# Altium PCB Bran_Main_Assay_PCB_v2_20170826.pcbdoc (part 3 of 4) (continued)
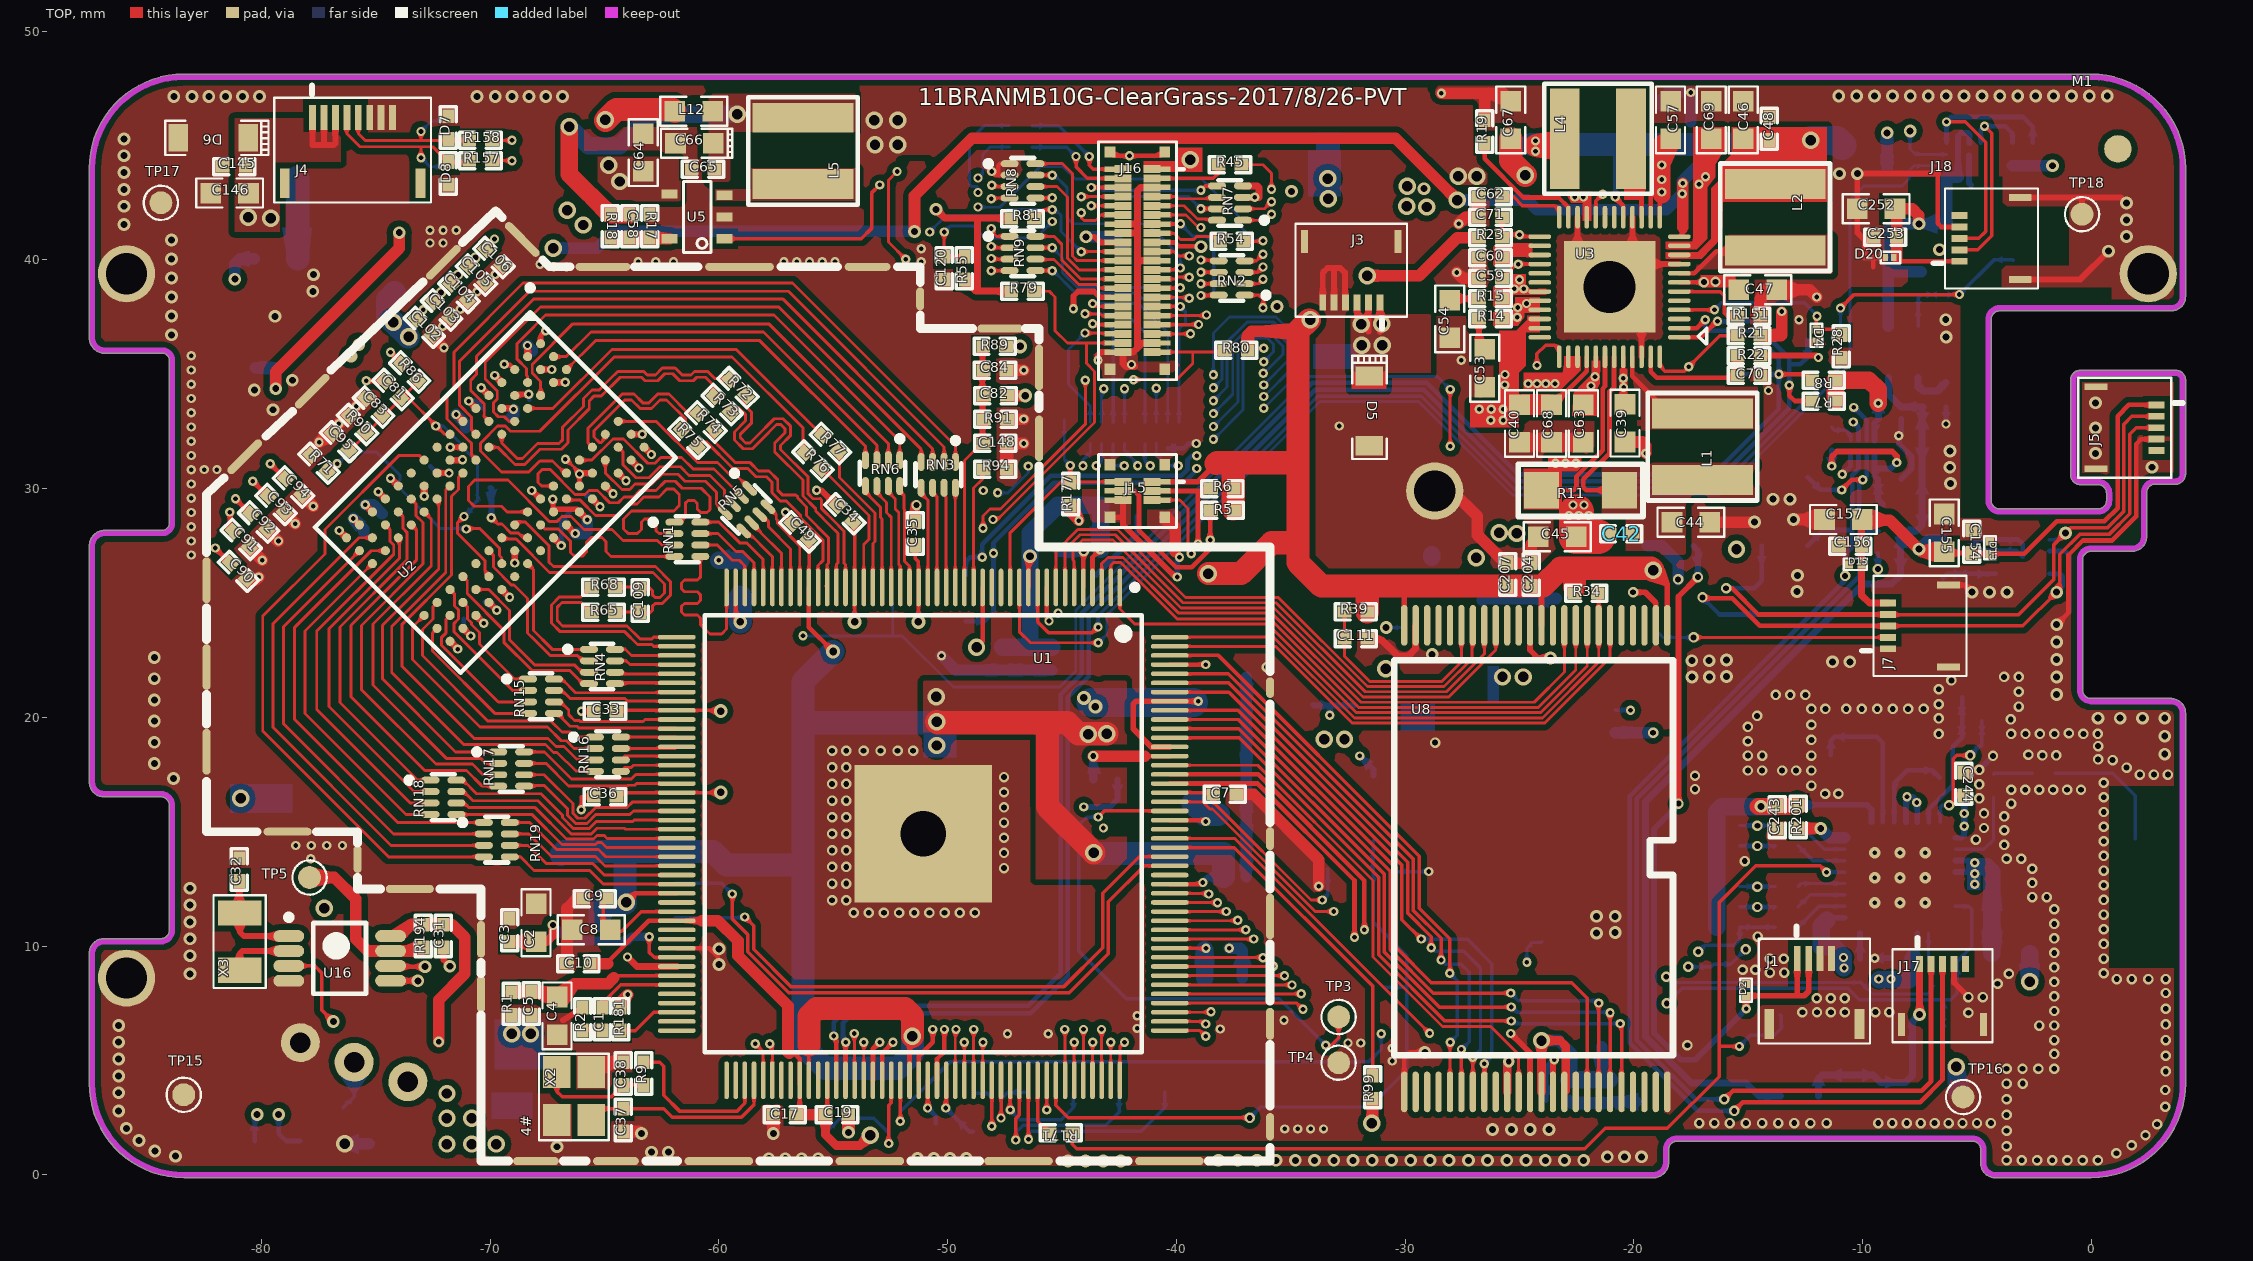
[diagram p0: TOP view]
## Nets (pads, with @x,y where several pads share a name; then routed paths per layer and width w, separated by ;. In a path a pad name is that pad's centre, name@x,y a point inside that pad or via, vN(x,y) a via of type N, cw(c..) or ccw(c..) an arc to the next point about the centre after c; other vN are vias at no path point) (continued)
N17728099: R203.2 U7.16 | length 1.1
  BOTTOM w0.254: U7.16@-10.107,10.562 -10.107,9.452 R203.2@-10.096,9.441
N17734642: C248.2 C249.2 D19.1 J17.1 R198.1 | length 10.2
  TOP w0.305: v3(-7.505,7.01) -7.5,7.015 J17.1@-7.5,9.225
  BOTTOM w0.305: R198.1@-11.924,3.454 -11.924,4.204 -11.774,4.354 C249.2@-10.451,4.354 -9.517,4.354 C248.2@-9.244,4.081 -9.201,4.038 -8.127,4.038 -7.821,4.344 -7.821,6.248 -7.821,6.694 v3(-7.505,7.01)
N17747477: R209.1 U20.5 | length 1.2
  BOTTOM w0.152: R209.1@-11.335,32.687 R209.1@-11.34,32.682 -11.221,32.563 -10.705,32.563 -10.502,32.36 -10.519,32.343 U20.5@-10.519,32.11
N17800108: C251.2 L7.1 L19.1 U9.6
N17800564: D12.2 L7.2 U9.4
N17849143: C238.1 R213.2 U21.5 | length 2.4
  BOTTOM w0.203: R213.2@-6.477,26.086 -6.445,26.118 -6.287,26.276 -5.207,26.276 U21.5@-4.172,26.276
N167142980: C53.1 R14.1 | length 1.4
  TOP w0.254: R14.1@-26.764,37.422 -26.764,36.334 C53.1@-26.518,36.089
NALE: U1.7 U8.17 | length 25
  TOP w0.127: U1.7@-44.865,25.683 -44.865,27.33 -44.211,27.984 -42.673,27.984 -39.704,25.015 -35.636,25.015 -31.741,21.12 -28.184,21.12 -26.533,22.771 U8.17@-26.533,24.024
NCE0-N: U1.2 U8.9 | length 26.6
  TOP w0.127: U1.2@-42.865,25.683 -42.865,26.64 -42.738,26.767 -42.426,26.767 -39.962,24.303 -35.895,24.303 -32.026,20.434 -24.175,20.434 -22.533,22.076 U8.9@-22.533,24.024
NCE1-N: U1.3 U8.10 | length 26.6
  TOP w0.127: U1.3@-43.265,25.683 -43.265,26.716 -42.985,26.996 -42.331,26.996 -39.893,24.557 -35.825,24.557 -31.931,20.663 -24.349,20.663 -23.033,21.979 U8.10@-23.033,24.024
NCLE: U1.6 U8.16 | length 25.1
  TOP w0.127: U1.6@-44.465,25.683 -44.465,26.821 -44.517,26.873 -44.517,27.346 -44.107,27.756 -42.768,27.756 -39.798,24.786 -35.731,24.786 -31.836,20.892 -28.09,20.892 -26.033,22.948 U8.16@-26.033,24.024
ND0: U1.174 U8.29 | length 25.7
  TOP w0.152: U1.174@-40.29,22.708 -38.156,22.708 -29.376,13.928 -29.376,11.656 -28.042,10.322 v1(-28.042,8.81) ; U8.29@-28.033,3.624 v1@-28.033,5.791
  BOTTOM w0.152: v1(-28.042,8.81) -27.712,8.479 -27.712,6.107 v1(-28.028,5.791)
ND1: U1.172 U8.30 | length 25.7
  TOP w0.152: U1.172@-40.29,21.908 -37.737,21.908 -29.63,13.801 -29.63,11.551 -28.423,10.344 v1(-28.423,9.394) ; U8.30@-27.533,3.624 v1@-27.533,5.481 ; v1(-27.534,5.482) v1@-27.533,5.481
  BOTTOM w0.152: v1(-28.423,9.394) -28.245,9.216 -27.559,9.216 -27.2,8.856 -27.2,5.816 v1(-27.534,5.482)
ND2: U1.171 U8.31 | length 25.9
  TOP w0.152: U1.171@-40.29,21.508 -37.718,21.508 -29.884,13.674 -29.884,11.445 -28.855,10.417 v1(-28.855,9.927) ; U8.31@-27.033,3.624 v1(-27.033,5.134)
  BOTTOM w0.152: v1(-28.855,9.927) -28.702,9.775 -27.432,9.775 -26.7,9.042 -26.7,5.467 v1(-27.033,5.134)
ND3: U1.170 U8.32 | length 26.2
  TOP w0.152: U1.170@-40.29,21.108 -37.698,21.108 -30.138,13.547 -30.138,11.159 v1(-29.287,10.308) ; U8.32@-26.569,3.66 U8.32@-26.533,3.624 v1(-26.533,4.862)
  BOTTOM w0.152: v1(-29.287,10.308) -27.28,10.308 -26.2,9.228 -26.2,5.195 v1(-26.533,4.862)
ND4: U1.168 U8.41 | length 29.6
  TOP w0.152: U1.168@-40.29,20.308 -37.305,20.308 -30.392,13.394 -30.392,9.936 -28.858,8.403 -22.715,8.403 -22.033,7.722 U8.41@-22.033,3.624
ND5: U1.167 U8.42 | length 29.8
  TOP w0.152: U1.167@-40.29,19.908 -37.286,19.908 -30.646,13.267 -30.646,9.831 -28.76,7.946 v1(-25.375,7.946) ; U8.42@-21.533,3.624 v1(-21.533,7.508)
  BOTTOM w0.152: v1(-25.375,7.946) -25.041,7.612 -21.637,7.612 v1(-21.533,7.508)
ND6: U1.166 U8.43 | length 29.9
  TOP w0.152: U1.166@-40.29,19.508 -37.267,19.508 -30.9,13.14 -30.9,9.726 -28.51,7.336 v1(-25.35,7.336) ; U8.43@-21.033,3.624 -21.033,7.05 -21.048,7.066 -21.064,7.081 v1(-21.033,7.081)
  BOTTOM w0.152: v1(-25.35,7.336) -25.125,7.112 -21.064,7.112 v1(-21.033,7.081)
ND7: U1.165 U8.44 | length 29.9
  TOP w0.152: U1.165@-40.29,19.108 -37.248,19.108 -31.154,13.013 -31.154,9.621 -28.26,6.727 v1(-25.35,6.727) ; v1(-20.586,6.612) -20.533,6.558 U8.44@-20.533,3.624 U8.44@-20.549,3.64
  BOTTOM w0.152: v1(-25.35,6.727) -25.235,6.612 v1(-20.586,6.612)
NDQS: U1.162 U8.35 | length 24.1
  TOP w0.127: U1.162@-40.29,17.908 -36.439,17.908 -31.395,12.864 -31.395,9.521 -28.36,6.486 -26.251,6.486 -25.033,5.267 U8.35@-25.033,3.624
NMI-N: R21.1 U1.158 U3.48 U16.3 | length 103.4
  TOP w0.127: U1.158@-40.29,16.308 -38.844,16.308 -38.535,15.999 -38.414,15.999 -33.929,11.514 v1(-33.122,11.514)
  TOP w0.152: U16.3@-78.806,9.135 -77.676,9.135 -77.355,8.814 -77.355,7.195 v3(-76.861,6.701) ; U3.48@-18.857,35.769 -18.857,35.349 -18.644,35.136 -17.784,35.136 v1(-17.589,35.331) -16.237,36.683 R21.1@-15.461,36.683
  Singal w0.152: v3(-76.861,6.701) -72.141,6.701 -69.347,3.907 -51.726,3.907 -50.354,5.279 -41.744,5.279 -41.351,5.672 -35.483,5.672 -33.908,7.247 -33.908,10.728 v1(-33.122,11.514) -31.787,12.849 -31.787,16.997 -24.11,24.674 -24.11,33.521 -24.994,34.406 -24.994,35.39 -24.613,35.771 -22.88,35.771 -22.44,35.331 v1(-17.589,35.331)
NRB0-N: R34.2 U1.176 U8.7 | length 24.5
  TOP w0.127: U1.176@-40.29,23.508 -35.746,23.508 -32.215,19.977 -23.986,19.977 -21.53,22.433 -21.53,24.021 U8.7@-21.533,24.024 -21.533,25.421 -21.533,25.647 -21.584,25.698
NRB1-N: U1.175 U8.6 | length 23.2
  TOP w0.127: U1.175@-40.29,23.108 -35.669,23.108 -32.31,19.748 -23.891,19.748 -21.033,22.606 U8.6@-21.033,24.024
NRE-N: U1.1 U8.8 | length 25.9
  TOP w0.127: U1.1@-42.465,25.683 -42.465,24.735 -41.805,24.075 -35.989,24.075 -32.12,20.206 -24.08,20.206 -22.033,22.253 U8.8@-22.033,24.024
NWE-N: U1.8 U8.18 | length 25
  TOP w0.127: U1.8@-45.265,25.683 -45.265,27.253 -44.305,28.213 -42.572,28.213 -39.602,25.243 -35.541,25.243 -31.647,21.349 -28.292,21.349 -27.063,22.578 -27.063,23.994 U8.18@-27.033,24.024
NWP-N: C111.2 R39.2 U8.19 | length 9.5
  TOP w0.127: R39.2@-32.647,24.608 C111.2@-32.647,23.44 -32.647,22.673 -31.552,21.577 -28.387,21.577 -27.533,22.431 U8.19@-27.533,24.024
O_RESET: J7.2 R131.2 TP86.1 U1.108 | length 60.3
  TOP w0.127: v2@-17.355,23.5 J7.2@-8.88,23.5
  TOP w0.152: v1@-52.065,2.338 U1.108@-52.065,4.133
  Singal w0.127: v1(-20.143,20.316) -20.143,20.738 v2(-17.385,23.495)
  Singal w0.152: v1(-31.039,6.168) -31.039,6.173 -29.978,7.235 -27.385,7.235 -26.594,8.026 -26.594,10.308 -20.143,16.76 v1(-20.143,20.316)
  BOTTOM w0.127: TP86.1@-18.9,23.677 -18.861,23.639 -18.718,23.495 v2(-17.385,23.495)
  BOTTOM w0.152: v1(-52.069,2.337) -52.069,2.756 -49.872,4.953 -31.573,4.953 -31.039,5.486 v1(-31.039,6.168) ; R131.2@-20.803,20.333 -20.786,20.316 v1(-20.143,20.316)
ODT: RN19.4 U2.K1 | length 27.6
  TOP w0.127: U2.K1@-72.887,31.248 -73.082,31.443 -74.001,31.443 -77.227,28.217 -77.227,27.151 -79.945,24.433 -79.945,19.404 -74.445,13.904 RN19.4@-70.273,13.904
P_RX_UART1: J6.5 U1.152 | length 27.2
  TOP w0.152: v1(-58.863,11.273) -58.478,10.888 -58.478,9.855 -56.835,8.212 -44.933,8.212 -43.222,9.923 -43.222,12.308 -41.622,13.908 U1.152@-40.29,13.908
  BOTTOM w0.152: J6.5@-61.9,11.25 -58.887,11.25 v1(-58.863,11.273)
P_TX_UART1: J6.6 U1.151 | length 28.3
  TOP w0.152: v1(-59.411,12.276) -59.411,11.186 -58.732,10.507 -58.732,9.75 -56.941,7.958 -44.679,7.958 -42.968,9.669 -42.968,11.933 -41.393,13.508 U1.151@-40.29,13.508
  BOTTOM w0.152: J6.6@-61.9,12.75 -59.885,12.75 v1(-59.411,12.276)
RAS: RN16.3 U2.J3 | length 19.7
  TOP w0.127: U2.J3@-71.19,30.682 -71.39,30.482 -71.39,29.965 -71.69,29.665 -71.69,26.232 -73.849,24.073 -73.849,22.227 -70.695,19.073 -67.471,19.073 -67.121,18.724 -66.772,18.724 -66.232,18.184 -65.463,18.184 RN16.3@-65.419,18.141
RESET-N: C7.2 C71.2 R23.1 TP88.1 U1.159 U3.25 | length 47.7
  TOP w0.127: -38.797,16.708 -38.453,16.708 C7.2@-38.379,16.634 ; C7.2@-38.383,16.63 -38.383,16.228 -38.32,16.228 -34.106,12.014 v1(-33.616,12.014)
  TOP w0.152: U1.159@-40.29,16.708 -38.797,16.708 ; C71.2@-25.764,41.867 R23.1@-25.764,40.978 -25.637,41.105 v1(-24.994,41.105) -24.908,41.019 U3.25@-24.107,41.019
  Singal w0.152: v1(-33.616,12.014) -32.676,12.954 -32.676,16.967 -24.548,25.095 -24.548,32.907 -26.518,34.877 -26.518,40.343 -25.756,41.105 v1(-24.994,41.105)
  BOTTOM w0.152: v1(-33.616,12.014) -33.387,12.243 -33.387,13.364 TP88.1@-33.4,13.377
RST: RN19.2 U2.T2 | length 19.7
  TOP w0.127: U2.T2@-75.715,27.288 -79.03,23.973 -79.03,19.708 -74.226,14.904 RN19.2@-70.273,14.904
RTCVDD: C31.2 C59.2 R21.2 R194.2 TP50.1 U3.28 U16.8 | length 110.8
  TOP w0.152: C59.2@-25.764,39.2 -25.145,39.819 v1(-25.043,39.819) U3.28@-24.107,39.819
  TOP w0.508: U16.8@-74.356,10.435 -74.006,10.435 -73.502,10.939 R194.2@-72.935,10.939 C31.2@-72.046,10.939 -71.657,10.939 -71.106,10.389 -71.106,8.788 -72.249,7.645 v2(-72.249,5.817) ; R21.2@-14.461,36.683 -13.562,36.683 ; -13.525,36.72 v1@-13.525,37.719
  Singal w0.508: v2(-72.249,5.817) -69.654,3.221 -51.442,3.221 -50.219,4.445 -41.605,4.445 -41.165,4.885 -35.293,4.885 -32.956,7.222 -32.956,10.427 -30.68,12.703 -26.857,12.703 -22.262,17.297 -22.262,21.819 -18.055,26.026 -18.046,26.035 -18.046,33.757 -16.293,35.509 -16.293,36.203 ; v1@-25.121,39.835 -25.043,39.835 -24.232,39.835 -23.724,39.327 -23.724,36.66 -23.267,36.203 -16.293,36.203 ; v1@-13.525,37.719 -13.525,37.059 -14.38,36.203 -16.293,36.203
  BOTTOM w0.508: TP50.1@-19.4,27.5 -18.777,27.5 -18.06,26.783 v2(-18.06,26.031)
  other v1: -13.525,37.744
SA0: RN17.5 U1.64 | length 7.8
  TOP w0.127: RN17.5@-68.518,16.992 -68.495,17.015 -67.626,17.015 -66.612,16.001 -66.612,15.712 -66.262,15.362 -65.768,15.362 -65.369,15.761 -63.886,15.761 -63.739,15.908 U1.64@-61.84,15.908
SA1: RN15.7 U1.52 | length 5.6
  TOP w0.127: RN15.7@-67.213,21.178 -66.85,21.178 -66.498,20.825 -64.103,20.825 -63.986,20.708 U1.52@-61.84,20.708
SA2: RN18.7 U1.66 | length 10.5
  TOP w0.127: RN18.7@-71.48,16.758 -71.152,16.758 -70.751,16.357 -67.907,16.357 -66.455,14.905 -65.578,14.905 -65.332,15.152 -64.124,15.152 -64.08,15.108 U1.66@-61.84,15.108
SA3: RN18.8 U1.65 | length 10.7
  TOP w0.127: RN18.8@-71.48,17.258 -71.195,17.258 -70.598,16.661 -67.781,16.661 -66.841,15.721 -66.841,15.617 -66.357,15.134 -65.673,15.134 -65.35,15.456 -63.759,15.456 -63.708,15.508 U1.65@-61.84,15.508
SA4: RN15.8 U1.51 | length 5.9
  TOP w0.127: RN15.8@-67.213,21.678 -66.865,21.678 -66.267,21.079 U1.51@-62.13,21.079 ; U1.51@-62.13,21.079 U1.51@-61.84,21.108 -62.101,21.108 U1.51@-62.13,21.079
SA5: RN18.6 U1.67 | length 10.4
  TOP w0.127: RN18.6@-71.48,16.258 -71.131,16.258 -70.925,16.052 -68.034,16.052 -66.658,14.676 -65.484,14.676 -65.328,14.832 -65.012,14.832 -64.888,14.708 U1.67@-61.84,14.708
SA6: RN15.6 U1.54 | length 5.9
  TOP w0.127: RN15.6@-67.213,20.678 -66.919,20.678 -66.565,20.325 -66.565,20.118 -66.315,19.867 -66.1,19.867 -66.046,19.813 -63.332,19.813 -63.237,19.908 U1.54@-61.84,19.908
SA7: RN19.6 U1.71 | length 7.8
  TOP w0.127: RN19.6@-69.143,14.404 -68.341,14.404 -67.549,13.612 -65.518,13.612 -65.013,13.108 U1.71@-61.84,13.108
SA8: RN15.5 U1.55 | length 5.9
  TOP w0.127: U1.55@-61.84,19.508 -61.867,19.535 -66.127,19.535 -66.206,19.613 -66.51,19.613 RN15.5@-66.987,20.09 ; RN15.5@-66.987,20.09 -67.125,20.09 RN15.5@-67.213,20.178 RN15.5@-66.987,20.09
SA9: RN19.8 U1.69 | length 7.9
  TOP w0.127: RN19.8@-69.143,15.404 -68.274,15.404 -67.089,14.219 -65.294,14.219 -65.291,14.222 -65.265,14.222 -64.951,13.908 U1.69@-61.84,13.908
SA10: RN4.7 U1.48 | length 2.8
  TOP w0.127: RN4.7@-64.546,22.473 -64.057,22.473 -63.892,22.308 U1.48@-61.84,22.308
SA11: RN16.8 U1.56 | length 2.5
  TOP w0.127: RN16.8@-64.29,19.141 -61.873,19.141 U1.56@-61.84,19.108
SA12: RN4.5 U1.50 | length 2.7
  TOP w0.152: RN4.5@-64.546,21.473 -64.511,21.508 U1.50@-61.84,21.508
SA13: RN18.5 U1.68 | length 10.3
  TOP w0.127: RN18.5@-71.48,15.758 -71.469,15.747 -68.16,15.747 -66.861,14.448 -65.389,14.448 -65.31,14.527 -65.139,14.527 -64.92,14.308 U1.68@-61.84,14.308
SA14: RN16.7 U1.57 | length 2.5
  TOP w0.127: RN16.7@-64.29,18.641 -61.907,18.641 U1.57@-61.84,18.708
SBA0: RN17.6 U1.63 | length 8
  TOP w0.127: RN17.6@-68.518,17.492 -67.641,17.492 -66.383,16.234 -66.383,15.806 -66.168,15.591 -65.862,15.591 -65.387,16.066 -64.012,16.066 -63.77,16.308 U1.63@-61.84,16.308
SBA1: RN4.6 U1.49 | length 3.2
  TOP w0.127: RN4.6@-64.546,21.973 -64.466,21.893 U1.49@-62.279,21.893 ; U1.49@-62.279,21.893 U1.49@-61.84,21.908 -62.265,21.908 U1.49@-62.279,21.893
SBA2: RN17.7 U1.61 | length 7.1
  TOP w0.127: RN17.7@-68.518,17.992 -67.56,17.992 -66.573,17.005 -63.996,17.005 -63.969,17.033 -63.676,17.033 -63.601,17.108 U1.61@-61.84,17.108
SCAS: RN16.5 U1.59 | length 2.6
  TOP w0.127: RN16.5@-64.29,17.641 -64.12,17.81 -63.83,17.81 -63.732,17.908 U1.59@-61.84,17.908
SCK: R65.2 U1.45 | length 7.9
  TOP w0.127: R65.2@-65.605,24.604 -66.018,25.017 -66.864,25.017 -67.067,24.814 -67.067,24.233 -66.834,24.001 -64.015,24.001 -63.449,23.435 -62.92,23.435 -62.847,23.508 U1.45@-61.84,23.508
SCK-N: R68.2 U1.46 | length 8.7
  TOP w0.127: R68.2@-65.605,25.696 -66.03,25.271 -66.969,25.271 -67.321,24.919 -67.321,24.128 -66.94,23.747 -64.12,23.747 -63.554,23.181 -62.92,23.181 -62.847,23.108 U1.46@-61.84,23.108
SCKE: RN4.8 U1.47 | length 2.8
  TOP w0.127: RN4.8@-64.546,22.973 -64.081,22.973 -63.816,22.708 U1.47@-61.84,22.708
SD_CLK_1: R171.2 TP43.1 U7.21 | length 47.7
  TOP w0.152: R171.2@-44.546,1.829 -44.546,1.329 -44.36,1.143 -22.135,1.143 -21.246,2.032 -18.528,2.032 -16.268,4.293 -16.268,5.613 ; v1(-15.379,5.613) -16.268,5.613 ; v1(-11.569,13.233) -11.848,13.513 -14.663,13.513 -16.268,11.908 -16.268,5.613
  BOTTOM w0.152: v1(-15.379,5.613) -14.896,6.096 -13.855,6.096 -13.55,6.401 -13.55,6.95 TP43.1@-13.6,7 ; v1(-11.569,13.233) -10.786,13.233 U7.21@-10.782,13.237
SD_CMD_1: R170.2 U7.20 | length 2.1
  BOTTOM w0.152: R170.2@-12.81,12.606 -12.679,12.737 U7.20@-10.782,12.737
SD_D0_1: R172.2 U7.22 | length 2.3
  BOTTOM w0.152: R172.2@-12.81,14.384 -12.163,13.737 U7.22@-10.782,13.737
SD_D1_1: R173.2 U7.23 | length 2.5
  BOTTOM w0.152: R173.2@-12.81,15.273 -12.709,15.273 -12.7,15.264 -11.673,14.237 U7.23@-10.782,14.237
SD_D2_1: R168.2 U7.18 | length 2.4
  BOTTOM w0.152: R168.2@-12.81,10.828 -11.901,11.737 U7.18@-10.782,11.737
SD_D3_1: R169.2 U7.19 | length 2.2
  BOTTOM w0.152: R169.2@-12.81,11.717 -12.29,12.237 U7.19@-10.782,12.237
SDQ0: RN3.5 U1.22 | length 4.5
  TOP w0.127: RN3.5@-51.155,30.04 -51.155,29.794 -50.853,29.493 -50.853,29.072 -50.865,29.059 U1.22@-50.865,25.683
SDQ1: RN1.8 U1.40 | length 4.6
  TOP w0.127: RN1.8@-60.812,28.536 -59.994,28.536 -59.091,27.633 -58.798,27.633 -58.065,26.9 U1.40@-58.065,25.683
SDQ2: RN3.6 U1.21 | length 4.4
  TOP w0.127: RN3.6@-50.654,30.04 -50.654,29.833 -50.472,29.651 -50.472,29.464 U1.21@-50.465,25.683
SDQ3: RN1.7 U1.41 | length 4
  TOP w0.127: RN1.7@-60.812,28.036 -60.033,28.036 -59.249,27.252 -58.955,27.252 -58.465,26.761 U1.41@-58.465,25.683
SDQ4: RN3.8 U1.19 | length 4.4
  TOP w0.127: U1.19@-49.665,25.683 -49.665,29.48 RN3.8@-49.654,30.04
SDQ5: RN1.5 U1.44 | length 8.9
  TOP w0.127: RN1.5@-60.812,27.036 -60.812,26.129 -60.939,26.002 -61.504,26.002 -61.631,25.875 -61.631,25.621 -61.504,25.494 -60.939,25.494 -60.812,25.367 -60.812,25.113 -60.939,24.986 -61.504,24.986 -61.631,24.859 -61.631,24.605 -61.504,24.478 -60.939,24.478 -60.812,24.351 -60.812,24.071 -60.387,23.645 -59.879,23.645 -59.665,23.859 U1.44@-59.665,25.683
SDQ6: RN3.7 U1.20 | length 5
  TOP w0.127: U1.20@-50.065,25.683 -50.065,27.03 -50.074,27.04 -50.065,27.576 -50.065,29.623 -50.091,29.649 ; RN3.7@-50.155,30.04 -50.155,29.872 RN3.7@-50.122,29.84 ; RN3.7@-50.155,30.04 RN3.7@-50.122,29.84 ; RN3.7@-50.155,30.04 RN3.7@-50.091,29.809 ; RN3.7@-50.122,29.84 -50.091,29.649 ; RN3.7@-50.122,29.84 RN3.7@-50.091,29.809 ; -50.091,29.649 RN3.7@-50.091,29.809
SDQ7: RN1.6 U1.42 | length 3.3
  TOP w0.127: RN1.6@-60.812,27.536 -60.072,27.536 -59.407,26.871 -59.113,26.871 -58.865,26.623 U1.42@-58.865,25.683
SDQ8: RN5.7 U1.37 | length 3.8
  TOP w0.127: RN5.7@-58.21,28.858 -58.133,28.858 -57.823,28.548 -57.823,28.32 -56.865,27.362 U1.37@-56.865,25.683
SDQ9: RN6.7 U1.25 | length 4.7
  TOP w0.127: RN6.7@-52.593,30.116 -52.593,29.857 -52.291,29.555 -52.291,29.112 -52.136,28.957 -52.136,26.692 -52.065,26.621 U1.25@-52.065,25.683
SDQ10: RN5.5 U1.39 | length 3.1
  TOP w0.127: RN5.5@-58.917,28.151 -58.777,28.151 -57.665,27.039 U1.39@-57.665,25.683
SDQ11: RN6.8 U1.24 | length 4.6
  TOP w0.127: RN6.8@-52.093,30.116 -52.093,29.896 -51.91,29.713 -51.91,29.117 -51.882,29.089 -51.882,26.825 -51.665,26.608 U1.24@-51.665,25.683
SDQ12: RN5.8 U1.36 | length 4.1
  TOP w0.127: RN5.8@-57.856,29.212 -57.491,28.846 -57.491,28.678 -57.442,28.628 -57.442,28.478 -56.465,27.501 U1.36@-56.465,25.683
SDQ13: RN6.6 U1.26 | length 4.7
  TOP w0.127: RN6.6@-53.093,30.116 -53.093,29.818 -52.672,29.397 -52.672,28.954 -52.465,28.747 U1.26@-52.465,25.683
SDQ14: RN5.6 U1.38 | length 3.4
  TOP w0.127: RN5.6@-58.564,28.505 -58.175,28.116 -58.175,28.088 -57.265,27.178 U1.38@-57.265,25.683
SDQ15: RN6.5 U1.27 | length 4.7
  TOP w0.127: RN6.5@-53.593,30.116 -53.593,29.848 -52.926,29.181 -52.926,28.74 -52.865,28.679 U1.27@-52.865,25.683
SDQM0: R76.1 U1.29 | length 6.1
  TOP w0.127: R76.1@-55.495,30.819 -55.424,30.819 -53.434,28.829 -53.434,27.79 -53.665,27.56 U1.29@-53.665,25.683
SDQM1: R77.1 U1.28 | length 6.6
  TOP w0.127: R77.1@-54.733,31.581 -54.733,30.487 -53.18,28.935 -53.18,27.685 -53.265,27.6 U1.28@-53.265,25.683
SDQS0: R72.1 U1.31 | length 13.6
  TOP w0.127: R72.1@-58.771,34.019 -58.861,33.93 -58.861,33.634 -58.582,33.355 -58.582,32.862 -59.066,32.378 -59.066,32.234 -58.833,32.002 -58.636,32.002 -58.404,32.234 -57.581,33.057 -57.192,33.057 -56.862,32.727 -56.862,32.337 -57.305,31.894 -57.305,31.714 -56.096,30.506 -56.096,29.776 -55.881,29.561 -55.575,29.561 -55.57,29.566 -55.51,29.506 -55.51,29.125 -55.484,29.099 -54.988,28.602 -54.538,28.153 -54.538,26.763 -54.465,26.69 U1.31@-54.465,25.683
SDQS0-N: R73.1 U1.32 | length 13.3
  TOP w0.127: R73.1@-59.457,33.282 -59.211,33.529 -59.114,33.529 -58.836,33.25 -58.836,32.967 -59.32,32.484 -59.32,32.129 -58.939,31.748 -58.531,31.748 -58.15,32.129 -57.476,32.803 -57.297,32.803 -57.116,32.622 -57.116,32.443 -57.559,31.999 -57.559,31.609 -56.325,30.375 -56.325,29.682 -55.764,29.121 -55.764,29.019 -55.738,28.994 -55.093,28.348 -54.792,28.047 -54.792,26.763 -54.865,26.69 U1.32@-54.865,25.683
SDQS1: R74.1 U1.33 | length 10.1
  TOP w0.127: R74.1@-60.168,32.52 -60.31,32.378 -60.31,32.169 -59.278,31.136 -58.632,31.136 -58.271,30.775 -57.813,30.775 -57.427,30.389 -57.427,29.932 -57.212,29.716 -56.624,29.716 -56.554,29.646 -56.554,29.587 -56.17,29.204 -56.17,28.825 -55.202,27.857 -55.202,26.743 -55.265,26.681 U1.33@-55.265,25.683 U1.33@-55.332,25.75
SDQS1-N: R75.1 U1.34 | length 9.8
  TOP w0.127: R75.1@-60.905,31.809 -60.905,31.839 -60.691,32.053 -60.554,32.053 -59.384,30.882 -58.737,30.882 -58.376,30.521 -57.919,30.521 -57.681,30.283 -57.681,29.826 -57.317,29.462 -57.054,29.462 -56.424,28.832 -56.424,28.72 -55.456,27.752 -55.456,26.849 -55.665,26.64 U1.34@-55.665,25.683
SODT: RN19.5 U1.72 | length 7.8
  TOP w0.127: RN19.5@-69.143,13.904 -68.679,13.904 -68.083,13.308 -65.644,13.308 -65.045,12.708 U1.72@-61.84,12.708
SRAS: RN16.6 U1.58 | length 2.5
  TOP w0.127: RN16.6@-64.29,18.141 -64.123,18.308 U1.58@-61.84,18.308
SRST: RN19.7 U1.70 | length 7.9
  TOP w0.127: RN19.7@-69.143,14.904 -68.311,14.904 -67.325,13.917 -65.391,13.917 -64.982,13.508 U1.70@-61.84,13.508
SVREF: C82.2 C84.1 C148.2 R89.1 R91.2 U1.18 | length 14.9
  TOP w0.127: U1.18@-49.265,25.683 -49.265,31.237 C148.2@-48.525,31.977 ; C84.1@-48.49,35.18 C82.2@-48.489,34.095 ; C148.2@-48.477,31.984 C148.2@-48.525,31.977 ; C148.2@-48.475,31.985 C148.2@-48.466,31.986 ; C148.2@-48.525,31.977 -48.475,31.977 C148.2@-48.466,31.986 ; C82.2@-48.489,34.095 C82.2@-48.475,34.081 ; C82.2@-48.489,34.095 C82.2@-48.475,34.081 ; C82.2@-48.475,34.081 C82.2@-48.466,34.071 ; C82.2@-48.475,34.081 C82.2@-48.466,34.071 ; C148.2@-48.466,31.986 -48.466,33.042 C82.2@-48.466,34.071
  TOP w0.152: R89.1@-48.502,36.227 -48.489,36.214 -48.475,35.649
  TOP w0.227: C82.2@-48.489,34.095 C82.2@-48.475,34.071
  TOP w0.234: R91.2@-48.475,33.043 R91.2@-48.466,33.042
  TOP w0.254: R89.1@-48.503,36.227 -48.489,36.214 -48.475,36.2 -48.475,35.649 -48.49,35.182 C84.1@-48.49,35.18 ; C84.1@-48.49,35.18 -48.475,34.081 C82.2@-48.475,34.071 ; C148.2@-48.475,31.977 -48.475,31.985 R91.2@-48.475,33.042 ; R91.2@-48.475,33.043 C82.2@-48.475,34.071 ; C82.2@-48.466,34.071 C82.2@-48.475,34.071
SWE: RN17.8 U1.60 | length 7.2
  TOP w0.127: RN17.8@-68.518,18.492 -67.626,18.489 -66.447,17.31 -63.83,17.31 -63.632,17.508 U1.60@-61.84,17.508
SZQ: R94.2 U1.17 | length 5.3
  TOP w0.127: U1.17@-48.865,25.683 -48.865,30.024 -48.475,30.414 R94.2@-48.475,30.859
TP-INT: J15.2 R177.1 TP30.1 U1.13 | length 11
  TOP w0.127: U1.13@-47.265,25.683 -47.265,28.075 -45.04,30.3 R177.1@-44.64,30.3 ; v1(-44.64,31.013) R177.1@-44.64,30.3 ; J15.2@-42.925,30.3 -44.614,30.3 R177.1@-44.64,30.3 ; J15.2@-42.852,30.3 J15.2@-42.335,30.3
  BOTTOM w0.127: TP30.1@-44.9,33 -44.9,31.274 v1(-44.64,31.013)
TS: J2.2 R178.2 U3.37 | length 84.1
  TOP w0.152: v1(-24.232,35.39) -24.232,35.898 -23.851,36.279 -23.47,36.279 -23.257,36.066 U3.37@-23.257,35.769
  Singal w0.152: J2.2@-75.95,4.923 -74.426,6.447 -72.246,6.447 -69.452,3.653 -51.621,3.653 -50.249,5.025 -41.638,5.025 -41.245,5.418 -35.371,5.418 -33.654,7.135 -33.654,10.443 -31.533,12.564 -31.533,16.891 -23.856,24.569 -23.856,31.997 -22.491,33.362 -22.491,34.925 -22.956,35.39 v1(-24.232,35.39)
  BOTTOM w0.152: R178.2@-76.416,2.942 -75.95,3.408 J2.2@-75.95,4.923
TWI0-SCK: R8.2 TP7.1 U1.101 U3.2 | length 77.6
  TOP w0.203: v1(-54.977,6.066) -54.865,5.954 U1.101@-54.865,4.133 ; U3.2@-18.007,37.019 -17.242,37.019 v1(-16.877,37.384) ; v1(-13.652,35.001) -12.45,35.001 R8.2@-12.196,34.747
  BOTTOM w0.203: v1(-54.977,6.066) -54.977,6.677 -54.267,7.387 -46.468,7.387 -45.046,8.809 -45.046,21.001 -44.131,21.915 -44.131,24.559 -34.057,34.633 -29.053,34.633 -25.044,30.623 -16.513,30.623 -13.652,33.485 v1(-13.652,35.001) ; v1(-16.877,37.384) -16.877,37.084 -16.7,36.906 -14.871,36.906 -13.652,35.687 v1(-13.652,35.001) ; TP7.1@-15.1,35 -15.099,35.001 v1(-13.652,35.001)
TWI0-SDA: R7.2 TP6.1 U1.102 U3.1 | length 78.3
  TOP w0.127: v1@-54.465,5.792 v1(-54.458,5.799)
  TOP w0.203: U1.102@-54.465,4.133 v1@-54.465,5.792 ; U3.1@-18.007,36.619 -17.068,36.619 -16.37,37.317 v1(-16.336,37.317) ; v1(-13.194,34.519) -13.194,34.061 -12.966,33.833 R7.2@-12.196,33.833 R7.2@-12.17,33.833
  BOTTOM w0.203: v1(-54.458,5.799) -54.571,5.912 -54.571,6.642 -54.156,7.056 -46.368,7.056 -44.741,8.683 -44.741,20.874 -43.826,21.789 -43.826,24.433 -33.931,34.328 -29.18,34.328 -25.17,30.318 -16.387,30.318 -13.194,33.511 v1(-13.194,34.519) -13.194,35.433 ; v1(-16.336,37.317) -14.799,37.317 -13.194,35.712 -13.194,35.433 ; TP6.1@-12.4,36.5 -12.4,35.745 -12.712,35.433 -13.194,35.433
TWI1-SCK: J15.3 R6.2 TP28.1 U1.105 U16.6 | length 75.5
  TOP w0.203: U16.6@-74.352,9.14 U16.6@-74.356,9.135 -74.321,9.1 v3(-72.852,9.1) ; U1.105@-53.265,4.133 -53.265,5.505 v1(-52.97,5.799) ; J15.3@-41.065,29.9 J15.3@-40.475,29.9 -38.575,29.9 R6.2@-38.484,29.991 ; v1(-39.051,27.58) -39.051,29.875
  Singal w0.203: v3(-72.852,9.1) -68.852,5.101 -53.504,5.101 -52.97,5.634 v1(-52.97,5.799) -52.97,7.082 -52.132,7.92 -48.5,7.92 -47.067,9.354 -47.067,21.731 -47.713,22.377 -47.713,26.232 v1(-48.489,27.008) ; v1(-39.102,31.441) -38.696,31.441 -38.086,30.831 -38.086,27.478 -38.264,27.301 -38.772,27.301 v1(-39.051,27.58)
  BOTTOM w0.203: TP28.1@-49.2,26.2 -49.2,26.809 -49.001,27.008 v1(-48.489,27.008) -48.489,27.57 -45.488,30.571 -39.778,30.571 -39.508,30.841 -39.508,31.263 -39.331,31.441 v1(-39.102,31.441)
TWI1-SDA: J15.4 R5.2 TP29.1 U1.106 U16.5 | length 79.3
  TOP w0.127: J15.4@-42.925,29.9 J15.4@-42.335,29.9
  TOP w0.203: U16.5@-74.318,8.524 U16.5@-74.356,8.485 -74.355,8.484 v3(-73.164,8.484) ; U1.106@-52.865,4.133 -52.865,5.32 v1(-52.386,5.799) ; J15.4@-42.335,29.9 -41.818,29.9 -41.633,29.716 -41.633,28.189 -40.013,26.568 -39.321,26.568 -38.518,27.371 v1(-38.518,27.758) -38.518,29.057 -38.518,29.119 R5.2@-38.51,29.127
  Singal w0.203: v3(-73.164,8.484) -72.666,8.484 -68.979,4.796 -53.25,4.796 -52.386,5.66 v1(-52.386,5.799) -52.386,7.145 -51.916,7.616 -48.374,7.616 -46.762,9.228 -46.762,21.857 -47.362,22.457 -47.362,26.544 v1(-47.992,27.174) ; v1(-39.102,30.882) -38.67,30.882 -38.518,30.73 v1(-38.518,27.758)
  BOTTOM w0.203: TP29.1@-49.2,24.2 -48.405,24.2 -47.992,24.613 v1(-47.992,27.174) -47.992,27.636 -45.361,30.266 -39.652,30.266 -39.102,30.816 v1(-39.102,30.882)
TWI2-SCK: J5.3 J7.3 J18.3 R4.2 TP35.1 U1.161 U10.1 U20.7 U21.4 | length 108.1
  TOP w0.152: J7.3@-8.88,24 -2.982,24 v3(-1.506,25.476) -1.372,25.611 -1.372,27.127 -0.483,28.016 0.805,28.016 1.69,28.902 1.69,32.385 1.969,32.664 J5.3@2.863,32.664 ; v1(-6.324,46.037) -5.506,46.037 -4.609,45.14 -4.609,41.245 -4.912,40.942 J18.3@-5.752,40.942
  TOP w0.203: U1.161@-40.29,17.508 -36.416,17.508 -31.776,12.868 v1(-31.776,10.715) ; v2(-16.993,25.243) -16.955,25.205 -15.688,25.205 -14.483,24 J7.3@-8.88,24
  Singal w0.203: v1(-31.776,10.715) -30.964,10.715 -29.872,11.807 -27,11.807 -21.641,17.165 -21.641,21.448 -18.578,24.511 -17.725,24.511 v2(-16.993,25.243) -16.671,25.565 -16.671,29.315 -13.453,32.533 -11.395,32.533 v1(-10.375,33.553) -10.045,33.884 -10.045,42.316 v1(-6.324,46.037)
  BOTTOM w0.203: v2(-16.993,25.243) -16.25,24.5 TP35.1@-14.4,24.5 ; v1(-10.375,33.553) -9.819,32.997 U20.7@-9.819,32.11 ; U10.1@-6.324,45.119 v1(-6.324,46.037) -6.108,46.253 -2.983,46.253 -2.551,45.822 R4.2@-2.551,45.123 ; U21.4@-1.822,26.276 -1.358,26.276 -1.245,26.162 -1.245,25.738 v3(-1.506,25.476)
TWI2-SDA: J5.2 J7.4 J18.2 R3.2 TP36.1 U1.160 U10.4 U20.6 U21.1 | length 114
  TOP w0.152: J7.4@-8.88,24.5 -8.865,24.486 -3.175,24.486 -1.626,26.035 -1.626,27.559 v3(-1.118,28.067) ; J18.2@-5.752,40.442 -4.958,40.442 -4.346,41.054 -4.346,45.533 v1(-4.66,45.847) ; v3@-1.219,28.067 v3(-1.118,28.067) ; J5.2@2.863,33.164 1.784,33.164 1.436,32.817 1.436,29.007 0.711,28.282 -0.903,28.282 v3(-1.118,28.067)
  TOP w0.203: U1.160@-40.29,17.108 -36.447,17.108 -32.208,12.869 v1(-32.208,10.384) ; v2(-15.963,25.65) -15.701,25.65 -14.552,24.5 J7.4@-8.88,24.5
  Singal w0.127: -26.871,11.45 -21.311,17.01 -21.311,17.533
  Singal w0.203: v1(-32.208,10.384) -32.131,10.308 -30.939,10.308 -29.759,11.488 -26.887,11.488 -21.336,17.039 -21.336,21.322 -18.452,24.206 -17.42,24.206 -16.928,24.698 ; -16.617,25.009 -16.928,24.698 ; v2(-15.963,25.65) -16.366,25.65 ; v1(-4.66,45.847) -5.854,45.847 -6.171,45.529 -6.401,45.529 -9.74,42.19 -9.74,33.579 v1(-10.4,32.918) -11.091,32.228 -13.326,32.228 -16.366,29.188 -16.366,25.65 ; -16.928,24.698 -16.928,24.685 -16.366,25.246 -16.366,25.65
  BOTTOM w0.152: U21.1@-1.822,27.776 -1.395,27.776 -1.118,28.053 v3(-1.118,28.067)
  BOTTOM w0.203: v2(-15.963,25.65) -14.723,25.65 -14.4,25.972 TP36.1@-14.4,27.5 ; v1(-10.4,32.918) -10.169,32.687 U20.6@-10.169,32.11 ; U10.4@-4.824,45.119 -4.824,45.695 -4.672,45.847 v1(-4.66,45.847) -3.746,45.847 -3.44,45.542 R3.2@-3.44,45.123
UART0_RX: TP55.1 U1.112 | length 40.8
  TOP w0.203: U1.112@-50.465,4.133 -50.465,5.064 -50.14,5.389 v1(-50.14,6.358)
  Singal w0.203: v3(-79.247,2.641) -79.882,3.276 -79.882,6.406 -79.066,7.221 -72.266,7.221 -69.231,4.187 -51.842,4.187 -50.14,5.889 v1(-50.14,6.358)
  BOTTOM w0.203: v3(-79.247,2.641) -79.247,1.803 -78.921,1.477 TP55.1@-78.3,1.477
UART0_TX: TP54.1 U1.110 | length 39.9
  TOP w0.203: U1.110@-51.265,4.133 -51.265,5.182 -50.648,5.799 v1(-50.648,6.358)
  Singal w0.203: v3(-80.186,2.641) -80.186,6.532 -79.192,7.526 -72.14,7.526 -69.105,4.491 -51.968,4.491 -50.648,5.812 v1(-50.648,6.358)
  BOTTOM w0.203: TP54.1@-80.3,1.477 TP54.1@-80.3,1.5 -80.3,2.528 v3(-80.186,2.641)